# KiCad board psc_carrier_brd.kicad_pcb (continued)
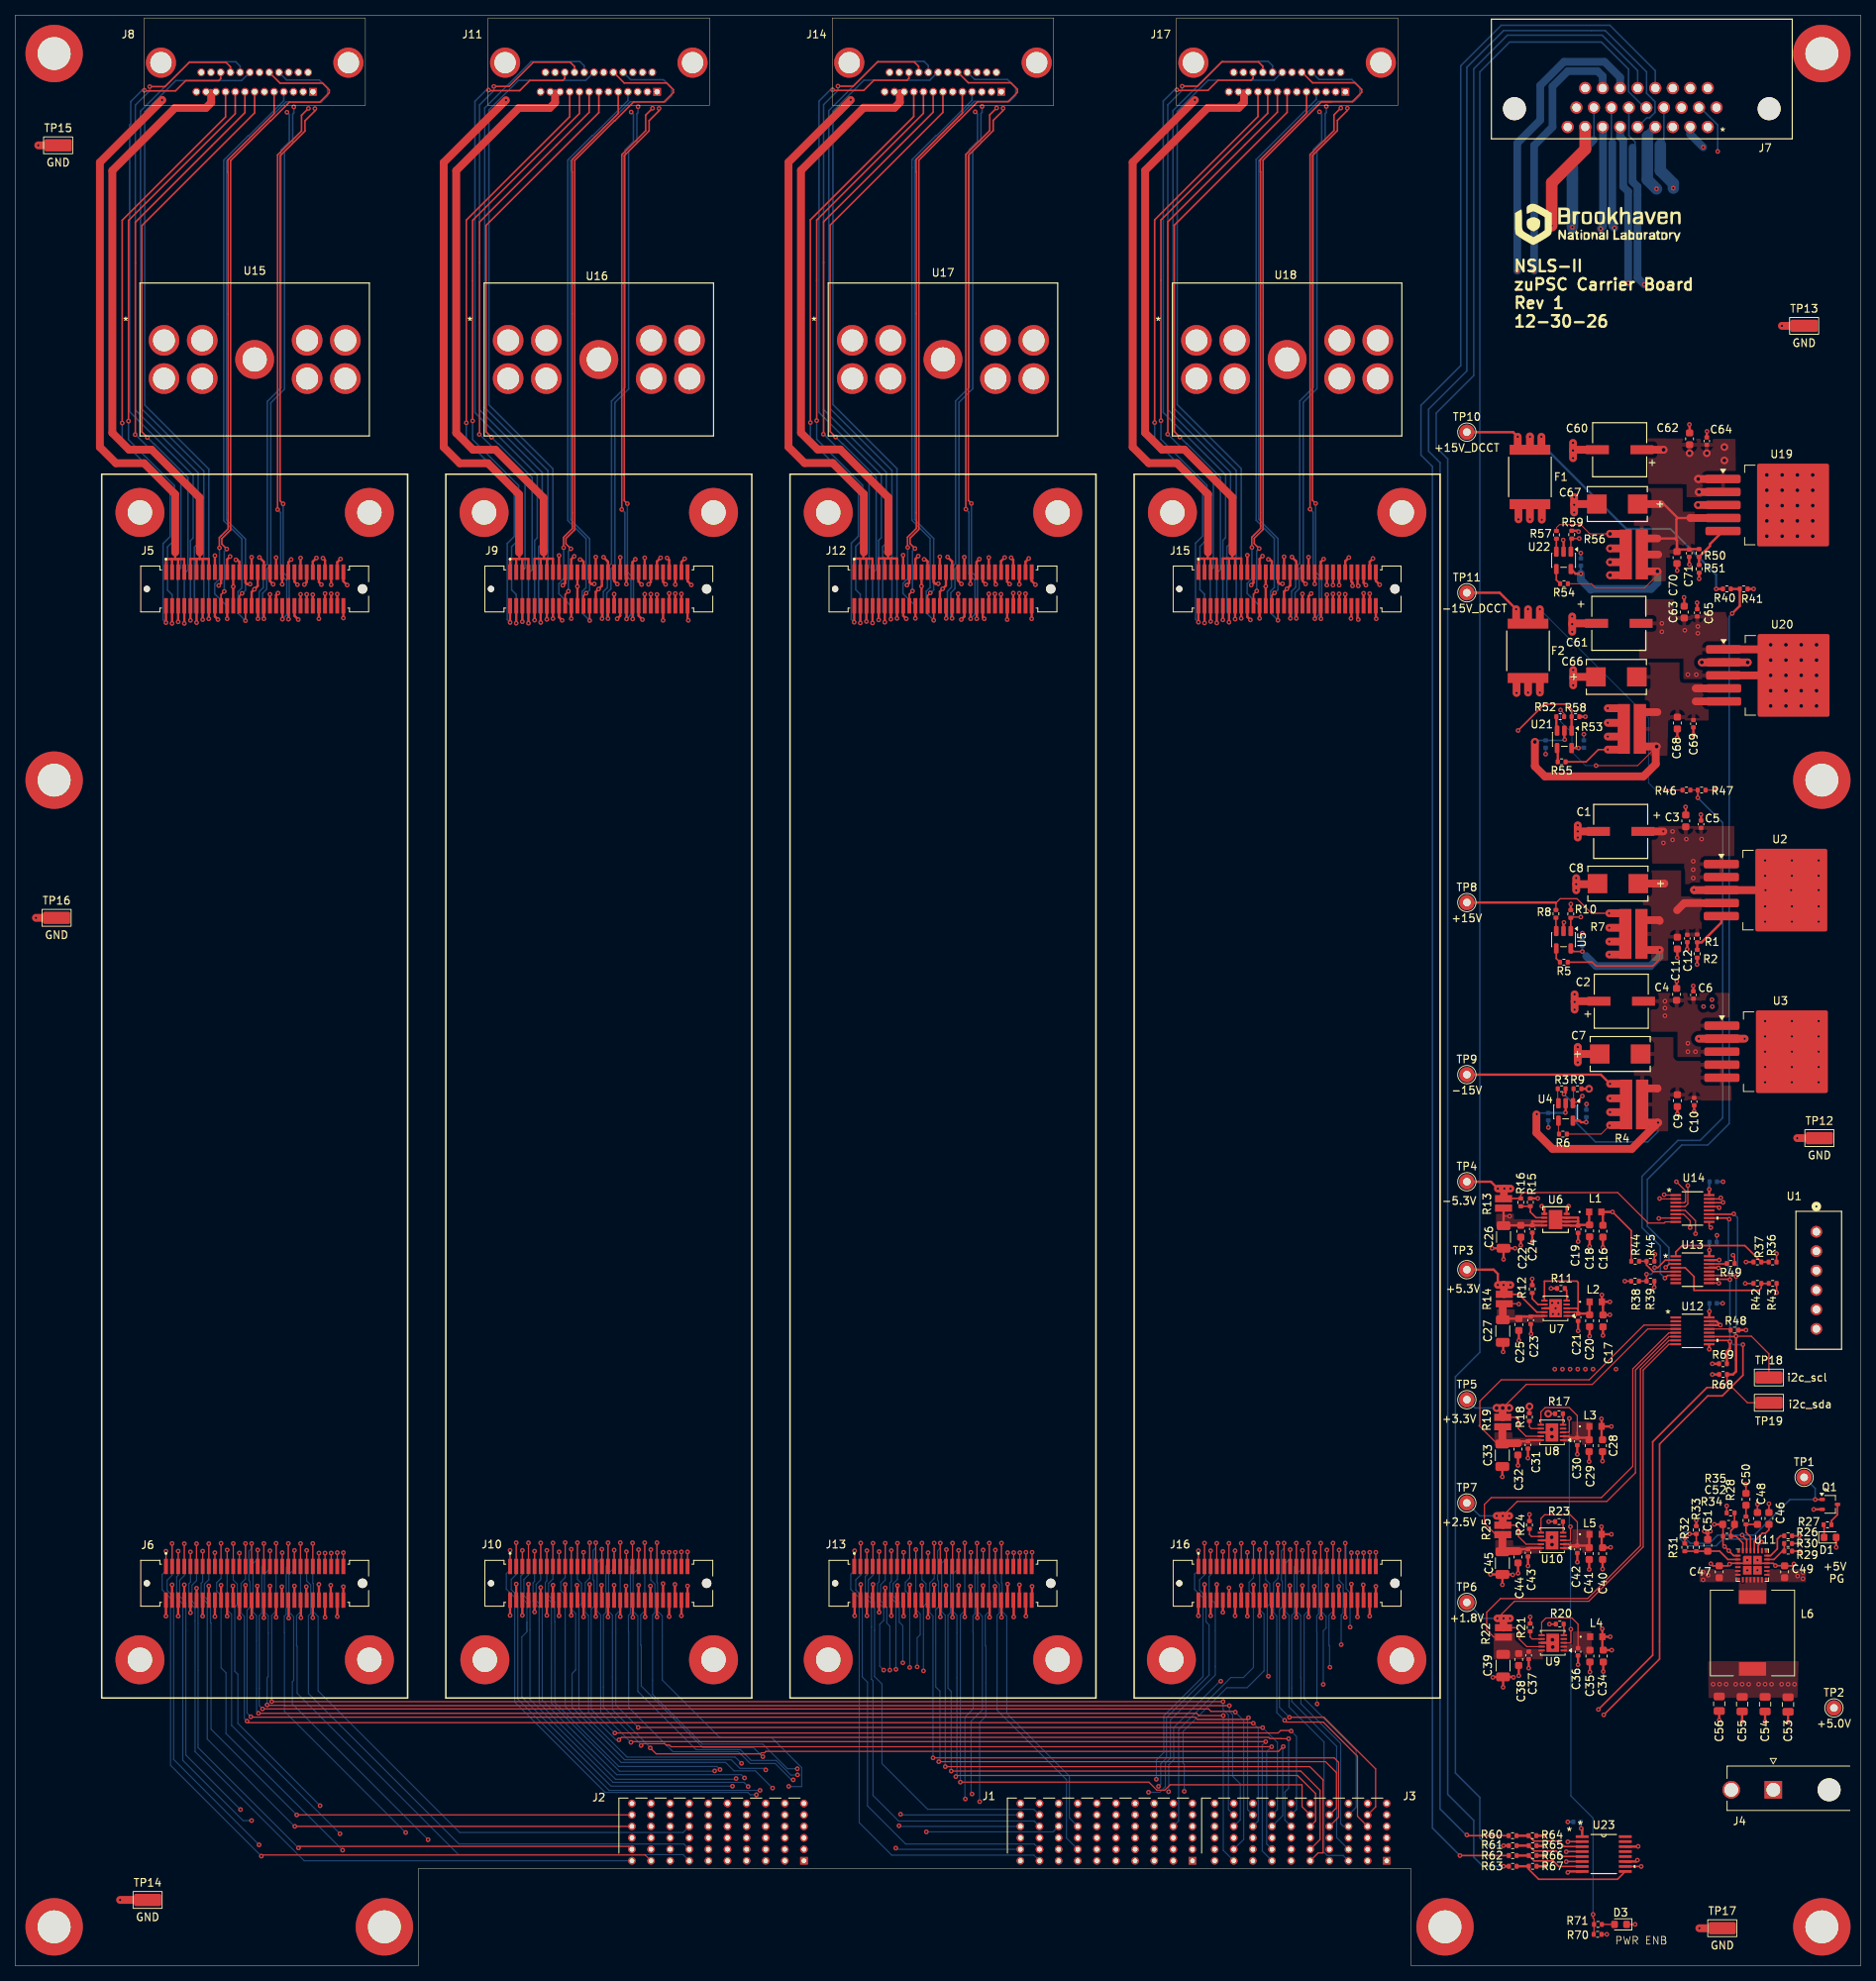
[diagram p0: board, top side]
## Routing (per net, layer and track width the routed paths; a pad name or vN(x,y) marks a point on that pad's centre or on a via; arc(x,y) is an arc through that point) (continued)
/Ch2 Daughterboard/ps.spare-: length 85
  Top w0.2: v1(72.33,179.7) 71.9,179.28 71.9,177.82 ; v1(72.65,185.25) 72,185.9 72,186.6 73.15,187.75 73.15,236.03 78.35,241.22 78.4,241.22 80.85,243.68 84.83,243.68 86.05,244.9 86.05,245.28 85.17,246.15 79.62,246.15 78.2,247.56
  Bottom w0.2: v1(72.65,185.25) 72.33,184.93 v1(72.33,179.7)
/Ch2 Daughterboard/ps.vout+: length 72.4
  Top w0.3: 77.5,177.82 v1(77.5,176.12)
  In7.Cu - SIG w0.2: v1(81.42,243.05) 81.42,244.98 81.38,245.03
  Bottom w0.2: v1(81.42,243.05) 81.42,242.28 81.27,242.12 81.27,238.31 80.2,237.23 80.2,206.16 78.4,204.36 78.4,183.13 77.87,182.61 77.87,180.01 77.34,179.47 77.34,176.29 v1(77.5,176.12)
/Ch2 Daughterboard/ps.vout-: length 83.1
  Top w0.3: 76.73,177.82 v1(76.73,176.12)
  In7.Cu - SIG w0.2: 80.74,247.56 80.74,246.98 81.27,246.45 84.52,246.45 85.35,245.62 85.35,243.26 84.39,242.3 80.57,242.3 v1(80.52,242.35)
  Bottom w0.2: v1(80.52,242.35) 80.83,242.05 80.83,238.49 79.75,237.42 79.75,206.34 77.95,204.55 77.95,183.32 77.42,182.79 77.42,180.19 76.89,179.66 76.89,176.29 v1(76.73,176.12)
/Ch2 Daughterboard/reg.out+: length 73.1
  Top w0.2: v1(84.17,242.82) 84.17,242.53 82.87,241.22 82.87,239.9 79.62,236.64 79.62,191.55 v1(80.02,191.15)
  Top w0.3: 80.73,177.72 v1(80.73,176.07)
  In7.Cu - SIG w0.2: 83.92,245.03 83.92,244.45 84.17,244.2 v1(84.17,242.82)
  Bottom w0.2: v1(80.02,191.15) 80.02,182.2 80.02,182.2 80.82,181.4 80.82,176.17 v1(80.73,176.07)
/Ch2 Daughterboard/reg.out-: length 77.9
  Top w0.2: v1(79.3,190.4) 79.3,236.78 82.42,239.9 82.42,241.95 v1(83.33,242.85)
  Top w0.3: 79.92,177.72 v1(79.92,176.07)
  In2.Cu - Signal w0.2: 83.29,247.56 84.46,247.56 85.27,246.75 85.27,244.8 v1(83.33,242.85)
  Bottom w0.2: v1(79.92,176.07) 80.5,176.65 80.5,181.12 79.7,181.92 79.7,190 v1(79.3,190.4) 79.3,190.43
/Ch3 Burden Resistor/Iin0.dcct+: length 115.5
  Top w1.5: J7.8 205.27,237.53 205.3,237.5 200.9,233.1 v1(200.9,227.5)
  In7.Cu - SIG w1.5: v1(200.9,227.5) 199,225.6 117.2,225.6 109.44,217.84 U17.1
/Ch3 Burden Resistor/Iin0.dcct-: length 99.4
  In7.Cu - SIG w1.5: v1(203.6,227.3) 202.6,226.3 202.6,226.1 200.4,223.9 137,223.9 133.16,220.06 U17.4
  Bottom w0.2: J7.17 206.42,238.72 206.4,238.7
  Bottom w1: 203.6,233.6 203.6,235.92 204.54,236.86
  Bottom w1.016: 204.54,236.86 206.38,238.7
  Bottom w1.5: 203.6,235.1 v1(203.6,227.3)
/Ch3 Burden Resistor/Iin1.dcct+: length 128.1
  In2.Cu - Signal w1.5: v1(207.3,227.1) 205.7,225.5 116.8,225.5 106.49,215.19 106.49,210.45 U17.5
  Bottom w1.016: v1(207.3,227.1) 207.6,227.4 207.6,240.36 J7.7
/Ch3 Burden Resistor/Iin1.dcct-: length 106.2
  In2.Cu - Signal w1.5: v1(209.1,227.2) 209.1,226.4 206.5,223.8 139.7,223.8 139.7,214.04 U17.8
  Bottom w0.11: 208.7,238.46 208.82,238.34
  Bottom w0.2: 208.7,238.46 J7.16
  Bottom w1.016: 208.82,238.34 208.82,227.48 v1(209.1,227.2)
/Ch3 Burden Resistor/Vout0.dcct+: length 41.6
  Top w0.3: 128.09,177.21 v1(128.09,179.35)
  In2.Cu - Signal w0.2: v1(128.09,179.35) 128.24,179.5 128.24,179.9 128.79,180.45 128.79,182.26 127.99,183.06 127.99,191.64 120.96,198.66 120.96,205.46 114.43,211.99 114.43,212.56
/Ch3 Burden Resistor/Vout0.dcct-: length 41.7
  Top w0.3: 128.89,177.16 v1(128.89,179.31)
  In2.Cu - Signal w0.2: v1(128.89,179.31) 128.69,179.5 128.69,179.71 129.24,180.26 129.24,182.45 128.44,183.25 128.44,191.82 121.42,198.85 121.42,205.31 128.15,212.04 128.15,212.56
/Ch3 Burden Resistor/Vout1.dcct+: length 39.2
  Top w0.3: 131.29,177.28 v1(131.29,179.43)
  In7.Cu - SIG w0.2: v1(131.29,179.43) 132.12,180.25 132.12,181.29 130.89,182.51 130.89,190.96 121.34,200.51 121.34,202.83 117.19,206.98 115.01,206.98 114.43,207.56
/Ch3 Burden Resistor/Vout1.dcct-: length 38.8
  Top w0.3: 132.09,177.23 v1(132.09,179.38)
  In2.Cu - Signal w0.2: v1(132.09,179.38) 132.09,179.59
  In7.Cu - SIG w0.2: v1(132.09,179.38) 132.09,179.59 132.56,180.07 132.56,181.47 131.34,182.7 131.34,191.15 121.79,200.7 121.79,202.93 125.79,206.93 127.52,206.93 128.15,207.56
/Ch3 Daughterboard/dac.sclk: length 63
  Top w0.15: 116.95,52.23 v1(116.95,55.27)
  In7.Cu - SIG w0.15: 116.98,38.7 116.98,15.88 118.44,14.41 135.73,14.41 J1.A8
  Bottom w0.15: v1(116.95,55.27) 116.95,50.7 116.37,50.12 116.37,49.03 116.95,48.45 v1(116.95,39)
/Ch3 Daughterboard/dac.sdin: length 58.9
  Top w0.15: 117.75,52.23 v1(117.75,54.4)
  In7.Cu - SIG w0.15: v1(117.92,39.07) 117.92,17.52 119.43,16.02 135.62,16.02 J1.B8
  Bottom w0.15: v1(117.75,54.4) 117.75,46.56 118.33,45.99 118.33,43.28 117.92,42.88 v1(117.92,39.07)
/Ch3 Daughterboard/dac.syncn: length 58.9
  Top w0.15: 118.55,52.2 v1(118.55,55.25)
  In7.Cu - SIG w0.15: v1(119.12,17.5) 119.12,38.18 v1(118.75,38.55)
  Bottom w0.15: J1.C8 135.71,17.5 v1(119.12,17.5) ; v1(118.55,55.25) 118.55,50.46 119.08,49.94 119.08,47.28 118.75,46.95 v1(118.75,38.55)
/Ch3 Daughterboard/dcct.busy: length 52.7
  Top w0.15: 126.55,52.2 v1(126.55,54.35)
  In2.Cu - Signal w0.15: J1.D6 138.69,22.45 v1(125.1,22.45)
  Bottom w0.15: v1(126.55,54.35) 126.55,51.92 125.83,51.2 125.83,46.29 126.45,45.66 126.45,33.45 124.98,31.98 124.98,22.57 v1(125.1,22.45)
/Ch3 Daughterboard/dcct.cnv: length 56
  Top w0.15: 125.75,52.2 v1(125.75,55.25)
  In2.Cu - Signal w0.15: J1.C6 140.73,18.91 129.46,18.91 126.43,21.95 124.37,21.95 v1(124.23,21.8)
  Bottom w0.15: v1(125.75,55.25) 125.75,52.4 125.48,52.13 125.48,45.99 125.22,45.74 125.22,43.63 125.25,43.6 125.25,33.57 124.17,32.5 124.17,21.85 v1(124.23,21.8)
/Ch3 Daughterboard/dcct.sck: length 56.5
  Top w0.15: 127.35,52.2 v1(127.35,55.25)
  In2.Cu - Signal w0.15: J1.A7 138.23,14.41 128.34,14.41 126.1,16.65 v1(126.1,21.45)
  Bottom w0.15: 126.1,21.4 126.1,21.32 v1(126.1,21.45) 126.1,31.8 126.9,32.6 126.9,41.8 126.82,41.88 126.82,45.79 127.35,46.31 v1(127.35,55.25)
/Ch3 Daughterboard/dcct.sdo0: length 46
  Top w0.15: 128.15,52.2 v1(128.15,54.35)
  Bottom w0.15: J1.B7 137.45,16.69 137.45,24.32 128.37,33.4 128.37,45.79 128.68,46.09 128.68,49.84 128.15,50.36 v1(128.15,54.35)
/Ch3 Daughterboard/dcct.sdo1: length 44.2
  Top w0.15: 128.95,52.2 v1(128.95,55.25)
  Bottom w0.15: J1.C7 137.82,19.31 137.82,24.8 129.65,32.98 129.65,45.69 129.03,46.31 129.03,49.98 128.95,50.06 v1(128.95,55.25)
/Ch3 Daughterboard/digin.acon: length 87.4
  Top w0.3: 115.29,177.85 v1(115.29,176.16)
  Bottom w0.15: v1(115.29,176.16) 115.21,176.16
  Bottom w0.2: v1(115.29,176.16) 115.29,195.73 106.92,204.1 106.92,242.45 110.98,246.52 119.58,246.52 120.65,247.59
/Ch3 Daughterboard/digin.flt1: length 88.7
  Top w0.3: 114.49,177.85 v1(114.49,176.06)
  Bottom w0.15: v1(114.49,176.06) 114.49,176.26
  Bottom w0.2: 119.39,247.59 119.39,248.41 118.81,248.98 112.81,248.98 106.36,242.53 106.36,203.75 114.63,195.49 114.63,176.9 114.49,176.75 v1(114.49,176.06)
/Ch3 Daughterboard/digin.flt2: length 89.6
  Top w0.2: 118.11,247.59 118.11,248.33 117.54,248.91 112.74,248.91 109.56,245.73 v1(107.56,245.73)
  Top w0.3: 113.69,177.85 v1(113.69,175.66)
  Bottom w0.2: v1(113.69,175.66) 113.69,176.75 113.42,177.03 113.42,185.53 113.89,186 113.89,195.25 105.69,203.46 105.69,243.31 107.56,245.18 v1(107.56,245.73)
/Ch3 Daughterboard/digin.rtn: length 86.8
  Top w0.3: 111.25,183.97 112.08,183.97 112.08,182.24 ; 111.25,183.97 111.28,183.94 111.28,182.24 ; 111.25,183.97 110.9,183.97 ; 110.48,182.24 110.48,183.91 110.43,183.97 ; 110.43,183.97 110.9,183.97 ; 110.43,183.97 109.68,183.97 109.68,182.24 ; 110.9,183.97 110.9,184.82
  Top w1.016: 109.24,243.93 101.1,235.79 101.1,198.56 103.2,196.46 106.88,196.46 110.95,192.39 110.95,184.79
  In7.Cu - SIG w1.016: 109.24,243.97 112.83,247.56 ; 115.58,247.59 112.83,247.59
  vias: v1(109.24,243.96)
/Ch3 Daughterboard/digin.spare: length 87.1
  Top w0.2: v1(106.86,245.25) 106.94,245.18 110.94,245.18 112.27,246.5 116.59,246.5 116.84,246.76 116.84,247.59
  Top w0.3: 112.89,177.85 v1(112.89,175.96)
  Bottom w0.2: v1(106.86,245.25) 106.56,245.25 105.09,243.78 105.09,203.08 113.24,194.93 113.24,186.71 112.89,186.35 v1(112.89,175.96)
/Ch3 Daughterboard/digio.in0: length 60.5
  Top w0.15: v1(112.95,54.15) 112.95,52.25
  In7.Cu - SIG w0.15: v1(113.55,38.65) 113.5,38.6 113.5,14.8 114.58,13.72 J1.A10
  Bottom w0.15: v1(112.95,54.15) 112.95,50.2 112.75,50 112.75,47.6 113.55,46.8 113.55,45.15 113.02,44.62 113.02,39.18 v1(113.55,38.65)
/Ch3 Daughterboard/digio.in1: length 60.3
  Top w0.15: 113.75,52.18 v1(113.75,55.23)
  In7.Cu - SIG w0.15: v1(114.35,38.65) 114.35,16.15 v1(115.12,15.38)
  Bottom w0.15: v1(115.12,15.38) 115.28,15.22 J1.B10 ; v1(113.75,55.23) 113.75,50.4 113.15,49.8 113.15,47.7 113.95,46.9 113.95,44.8 114.35,44.4 v1(114.35,38.65)
/Ch3 Daughterboard/digio.in2: length 54.5
  Top w0.15: v1(114.55,54.25) 114.55,52.25
  In7.Cu - SIG w0.15: v1(115.15,38.75) 115.08,38.68 115.08,18.77 v1(115.55,18.3)
  Bottom w0.15: J1.C10 115.63,18.22 v1(115.55,18.3) ; v1(114.55,54.25) 114.55,50.25 114.35,50.05 114.35,48.25 115.15,47.45 v1(115.15,38.75)
/Ch3 Daughterboard/digio.in3: length 55.1
  Top w0.15: 115.35,52.18 v1(115.35,55.23)
  In7.Cu - SIG w0.15: v1(115.75,19.8) 116.05,20.1 v1(116.05,39.6)
  Bottom w0.15: v1(116.05,39.6) 116.05,44.45 115.57,44.93 115.57,47.52 114.77,48.32 114.77,49.94 115.35,50.51 v1(115.35,55.23) ; J1.D10 115.83,19.72 v1(115.75,19.8)
/Ch3 Daughterboard/digio.out0: length 63.9
  Top w0.15: 109.75,52.25 v1(109.75,54.25)
  Bottom w0.15: v1(109.75,54.25) 109.75,51.7 109.25,51.2 109.25,49.2 110.35,48.1 110.35,18.7 114.6,14.45 133.19,14.45 J1.A9
/Ch3 Daughterboard/digio.out1: length 63.2
  Top w0.15: 110.55,52.2 v1(110.55,55.25)
  Bottom w0.15: J1.B9 133.23,15.91 116.41,15.91 111.42,20.9 111.42,37.07 110.75,37.75 110.75,48.27 109.9,49.12 109.9,50.45 110.55,51.1 v1(110.55,55.25)
/Ch3 Daughterboard/digio.out2: length 58
  Top w0.15: 111.35,52.2 v1(111.35,54.25)
  Bottom w0.15: J1.C9 133.23,18.91 115.5,18.91 112.15,22.26 112.15,37.25 111.95,37.45 111.95,44.3 111.95,44.3 111.95,47.35 111.15,48.15 111.15,50.9 111.35,51.1 v1(111.35,54.25)
/Ch3 Daughterboard/digio.out3: length 56.2
  Top w0.15: 112.15,52.18 v1(112.15,55.23)
  Bottom w0.15: v1(112.15,55.23) 112.15,51.05 111.55,50.45 111.55,48.35 112.35,47.55 112.35,43.85 112.35,43.85 112.35,37.8 113.33,36.82 113.33,26.43 119.3,20.45 133.19,20.45 J1.D9
/Ch3 Daughterboard/digout.on1: length 80.6
  Top w0.2: v1(107.26,199.86) 106.54,200.58 106.54,227.56 121.29,242.31 121.29,245.06
  Top w0.3: 112.09,177.85 v1(112.09,175.56)
  Bottom w0.2: v1(107.26,199.86) 108.14,198.98 108.19,198.98 112.57,194.6 112.57,182.53 112.09,182.06 v1(112.09,175.56)
/Ch3 Daughterboard/digout.on2: length 80.2
  Top w0.2: 120.02,245.06 120.02,242.33 105.69,228 105.69,200.25 v1(105.67,200.23)
  Top w0.3: 111.29,175.66 v1(111.29,175.75) 111.29,177.85
  Bottom w0.15: v1(111.29,175.75) 111.24,175.75
  Bottom w0.2: v1(111.29,175.75) 111.24,175.81 111.24,182.38 111.64,182.78 111.64,194.31 105.71,200.23 v1(105.67,200.23)
/Ch3 Daughterboard/digout.reset: length 80.8
  Top w0.2: v1(104.79,202) 104.79,228.23 118.75,242.19 118.75,245.06
  Top w0.3: v1(110.49,175.56) 110.49,177.85
  Bottom w0.15: v1(110.49,175.56) 110.49,175.67
  Bottom w0.2: v1(110.49,175.56) 110.49,179.31 109.89,179.91 109.89,185.56 110.8,186.46 110.8,193.56 104.79,199.56 v1(104.79,202)
/Ch3 Daughterboard/digout.rtn: length 92.8
  Top w0.3: 115.29,182.25 115.29,183.99 114.46,183.99 ; 114.49,182.25 114.49,183.96 114.46,183.99 ; 113.64,183.99 113.69,183.94 113.69,182.25 ; 113.64,183.99 112.89,183.99 112.89,182.25 ; 113.64,183.99 114.11,183.99 ; 114.46,183.99 114.11,183.99 ; 114.11,183.99 114.11,184.84
  Top w1.016: 114.11,184.84 114.16,184.9 114.16,191.94 ; 114.16,191.94 107.87,198.23 104.92,198.23 102.73,200.42 102.73,234.72 110.92,242.91 114.96,242.91 115.66,243.61 115.66,244.82 ; 114.16,191.94 114.16,184.81
  In7.Cu - SIG w1.016: 114.94,245.06 116.21,245.06
/Ch3 Daughterboard/digout.spare: length 80.4
  Top w0.2: 117.48,245.06 117.48,241.77 103.96,228.25 v1(103.96,201.75)
  Top w0.3: v1(109.69,175.66) 109.69,177.85
  Bottom w0.2: v1(109.69,175.66) 109.31,176.03 109.31,185.98 110.24,186.91 110.24,193.1 110.27,193.13 103.96,199.43 v1(103.96,201.75)
/Ch3 Daughterboard/mon.busy: length 92.8
  Top w0.15: v1(121.6,26.02) 169.27,26.02 171,24.3 171,14.75 170.36,14.75 J3.A5 ; 121.75,52.2 v1(121.75,54.4)
  Bottom w0.15: v1(121.6,26.02) 121.6,45.8 121.12,46.28 121.12,52.62 121.75,53.25 v1(121.75,54.4)
/Ch3 Daughterboard/mon.cnvrt: length 90.8
  Top w0.15: v1(120.75,26.68) 171.32,26.68 172.75,25.25 172.75,20.64 J3.D4 ; 120.95,52.2 v1(120.95,55.25)
  Bottom w0.15: v1(120.75,26.68) 120.9,26.82 120.9,35.9 120.35,36.45 120.35,46.55 120.73,46.93 120.73,50.27 120.6,50.4 120.6,54.25 120.95,54.6 v1(120.95,55.25)
/Ch3 Daughterboard/mon.fs: length 90.8
  Top w0.15: v1(122.37,25.45) 168.07,25.45 170.6,22.93 170.6,16.49 J3.B5 ; 122.55,52.2 v1(122.55,55.25)
  Bottom w0.15: v1(122.55,55.25) 122.55,52.45 122.28,52.18 122.28,46.13 121.95,45.8 121.95,36.3 122.37,35.88 v1(122.37,25.45)
/Ch3 Daughterboard/mon.reset: length 93.7
  Top w0.15: J3.C4 173.02,19.42 173.02,26.6 172.45,27.18 v1(120,27.18) ; 120.15,52.2 v1(120.15,55.25)
  Bottom w0.15: v1(120,27.18) 120,45.71 119.57,46.14 119.57,50.04 120.15,50.61 v1(120.15,55.25)
/Ch3 Daughterboard/mon.sclk: length 84.3
  Top w0.15: J3.D5 168.25,20.79 168.25,23.65 151,23.65 150.3,22.95 149.27,22.95 148.23,24 v1(123.57,24) ; 124.15,52.23 v1(124.15,55.27)
  Bottom w0.15: v1(124.15,55.27) 124.15,46.41 123.57,45.84 v1(123.57,24)
/Ch3 Daughterboard/mon.sdo: length 84.9
  Top w0.15: J3.C5 170.02,18.91 170.02,22.5 167.65,24.87 123.12,24.87 v1(122.98,24.73) ; 123.35,52.23 v1(123.35,54.3)
  Bottom w0.15: v1(122.98,24.73) 123.13,24.88 123.13,45.79 122.63,46.29 122.63,51.25 123.35,51.97 v1(123.35,54.3)
/Ch3 Daughterboard/ps.ignd+: length 76
  Top w0.2: v1(120.09,175.91) 120.09,177.85
  Bottom w0.2: v1(120.09,175.91) 119.12,176.88 119.12,179.7 119.61,180.19 119.61,186.6 117.24,188.98 117.24,236.11 120.41,239.28 120.49,239.28 125.1,243.89 125.1,245.06
/Ch3 Daughterboard/ps.ignd-: length 84.5
  Top w0.2: 119.29,177.85 119.29,179.13 v1(119.64,179.48)
  Bottom w0.2: v1(119.64,179.48) 119.69,179.48 120.09,179.88 120.09,186.58 117.59,189.08 117.59,236 117.67,236 125.39,243.73 130.01,243.73 130.81,244.53 130.81,245.53 129.74,246.61 125.45,246.61 124.46,247.59
/Ch3 Daughterboard/ps.spare+: length 74.9
  Top w0.2: v1(116.69,185.43) 116.67,185.45 116.67,186.76 117.82,187.91 117.82,234.53 117.79,234.56 117.79,236.16 123.83,242.2 123.83,245.06
  Top w0.3: 117.69,177.85 v1(117.69,176.16)
  In2.Cu - Signal w0.2: v1(117.69,176.16) 117.57,176.28
  Bottom w0.2: 117.57,176.28 v1(117.69,176.16) 117.71,176.18 117.71,177.75 116.07,179.4 116.07,180.72 116.69,181.34 v1(116.69,185.43)
/Ch3 Daughterboard/ps.spare-: length 85
  Top w0.2: v1(117.64,185.28) 116.99,185.93 116.99,186.63 118.14,187.78 118.14,236.06 123.34,241.25 123.39,241.25 125.84,243.7 129.81,243.7 131.04,244.93 131.04,245.31 130.17,246.18 124.61,246.18 123.2,247.59 ; 116.89,177.85 116.89,179.31 v1(117.31,179.73)
  Bottom w0.2: v1(117.64,185.28) 117.31,184.96 v1(117.31,179.73)
/Ch3 Daughterboard/ps.vout+: length 72.4
  Top w0.3: 122.49,177.85 v1(122.49,176.16)
  In7.Cu - SIG w0.2: v1(126.42,243.08) 126.42,245.01 126.37,245.06
  Bottom w0.2: v1(122.49,176.16) 122.33,176.32 122.33,179.5 122.86,180.04 122.86,182.64 123.39,183.16 123.39,204.39 125.19,206.19 125.19,237.26 126.27,238.34 126.27,242.16 126.42,242.31 v1(126.42,243.08)
/Ch3 Daughterboard/ps.vout-: length 83.1
  Top w0.3: 121.71,177.85 v1(121.71,176.16)
  In7.Cu - SIG w0.2: v1(125.52,242.38) 125.56,242.33 129.38,242.33 130.34,243.29 130.34,245.66 129.51,246.48 126.27,246.48 125.73,247.01 125.73,247.59
  Bottom w0.2: v1(125.52,242.38) 125.81,242.08 125.81,238.52 124.74,237.45 124.74,206.37 122.94,204.58 122.94,183.35 122.42,182.82 122.42,180.22 121.88,179.69 121.88,176.32 v1(121.71,176.16)
/Ch3 Daughterboard/reg.out+: length 73.1
  Top w0.2: v1(129.17,242.86) 129.17,242.56 127.86,241.25 127.86,239.93 124.61,236.67 124.61,191.58 v1(125.02,191.18)
  Top w0.3: 125.71,177.75 v1(125.71,176.1)
  In7.Cu - SIG w0.2: 128.91,245.06 128.91,244.49 129.17,244.23 v1(129.17,242.86)
  Bottom w0.2: v1(125.02,191.18) 125.02,182.23 125.01,182.23 125.81,181.43 125.81,176.2 v1(125.71,176.1)
/Ch3 Daughterboard/reg.out-: length 77.9
  Top w0.2: v1(124.29,190.43) 124.29,236.81 127.42,239.93 127.42,241.98 v1(128.31,242.88)
  Top w0.3: 124.92,177.75 v1(124.92,176.1)
  In2.Cu - Signal w0.2: 128.27,247.59 129.45,247.59 130.26,246.78 130.26,244.83 v1(128.31,242.88)
  Bottom w0.2: 124.29,190.46 v1(124.29,190.43) 124.69,190.03 124.69,181.95 125.49,181.16 125.49,176.68 v1(124.92,176.1)
/Ch4 Burden Resistor/Iin0.dcct+: length 82.4
  In7.Cu - SIG w1.5: v1(210.9,220) 158.8,220 158.7,220.1 154.44,215.84 U18.1
  Bottom w1.016: J7.6 209.84,239.11 210.25,238.7 210.25,232.6 210.9,231.95 v1(210.9,220)
/Ch4 Burden Resistor/Iin0.dcct-: length 64
  In7.Cu - SIG w1.5: U18.4 178.16,215.56 180.5,217.9 211.21,217.9 213,219.69 v1(213,219.8)
  Bottom w0.2: J7.15 210.99,239.26 211.8,238.45 211.8,238.03 211.47,237.7
  Bottom w1.016: v1(213,219.8) 212.12,220.68 212.12,232.6 211.47,233.25 211.47,237.7
/Ch4 Burden Resistor/Iin1.dcct+: length 97.3
  In2.Cu - Signal w1.5: U18.5 151.49,210.45 151.49,217.49 153.6,219.6 194.4,219.6 v1(196.4,221.6)
  Bottom w1.016: v1(196.4,221.6) 196.4,238.3 199.4,241.3 199.4,245.82 202.5,248.92 207.81,248.92 209.84,246.88 J7.24
/Ch4 Burden Resistor/Iin1.dcct-: length 63.1
  In2.Cu - Signal w1.5: v1(198.6,221.6) 198.1,221.1 198.1,220.9 195.1,217.9 184.5,217.9 184.5,217.8 182.2,215.5 182.2,211.54 U18.8
  Bottom w1.016: v1(198.6,221.6) 198.6,238 201,240.4 201,245.7 203,247.7 206.9,247.7 207.56,247.04 J7.25
/Ch4 Burden Resistor/Vout0.dcct+: length 41.6
  Top w0.3: 173.1,177.21 v1(173.1,179.35)
  In2.Cu - Signal w0.2: 159.44,212.56 159.44,211.99 165.98,205.46 165.98,198.66 173,191.64 173,183.06 173.8,182.26 173.8,180.45 173.25,179.9 173.25,179.5 v1(173.1,179.35)
/Ch4 Burden Resistor/Vout0.dcct-: length 41.7
  Top w0.3: 173.9,177.16 v1(173.9,179.31)
  In2.Cu - Signal w0.2: v1(173.9,179.31) 173.7,179.5 173.7,179.71 174.25,180.26 174.25,182.45 173.45,183.25 173.45,191.82 166.43,198.85 166.43,205.31 173.16,212.04 173.16,212.56
/Ch4 Burden Resistor/Vout1.dcct+: length 39.2
  Top w0.3: 176.3,177.28 v1(176.3,179.43)
  In7.Cu - SIG w0.2: v1(176.3,179.43) 177.12,180.25 177.12,181.29 175.9,182.51 175.9,190.96 166.35,200.51 166.35,202.83 162.2,206.98 160.02,206.98 159.44,207.56
/Ch4 Burden Resistor/Vout1.dcct-: length 38.8
  Top w0.3: 177.1,177.23 v1(177.1,179.38)
  In2.Cu - Signal w0.2: v1(177.1,179.38) 177.1,179.59
  In7.Cu - SIG w0.2: 173.16,207.56 172.53,206.93 170.8,206.93 166.8,202.93 166.8,200.7 176.35,191.15 176.35,182.7 177.57,181.47 177.57,180.07 177.1,179.59 v1(177.1,179.38)
/Ch4 Daughterboard/dac.sclk: length 45.9
  Top w0.15: 161.9,52.23 v1(161.9,55.27)
  Bottom w0.15: J1.C2 152.12,18.91 152.12,30.87 158.93,37.68 160.57,37.68 161.9,39 161.9,48.45 161.32,49.03 161.32,50.12 161.9,50.7 v1(161.9,55.27)
/Ch4 Daughterboard/dac.sdin: length 43.7
  Top w0.15: 162.7,52.23 v1(162.7,54.4)
  In2.Cu - Signal w0.15: v1(152.85,22.8) 152.6,22.55 152.6,20.9 J1.D2
  Bottom w0.15: v1(152.85,22.8) 152.85,26.32 152.7,26.48 152.7,30.62 158.43,36.35 161.07,36.35 163.28,38.55 163.28,45.99 162.7,46.56 v1(162.7,54.4)
/Ch4 Daughterboard/dac.syncn: length 54.5
  Top w0.15: J16.23 v1(163.5,55.25)
  In2.Cu - Signal w0.15: J1.A3 150.45,15.24 150.45,22.4 v1(150.8,22.75) ; v1(163.85,37.85) 163.2,37.2 v1(157.62,37.2)
  Bottom w0.15: v1(163.5,55.25) 163.5,50.46 164.03,49.94 164.03,47.28 163.7,46.95 163.7,38 v1(163.85,37.85) ; v1(150.8,22.75) 150.82,22.77 150.82,26.28 151.46,26.91 151.46,31.14 157.52,37.2 v1(157.62,37.2)
/Ch4 Daughterboard/dcct.busy: length 55.1
  Top w0.15: J16.43 v1(171.5,54.35)
  In2.Cu - Signal w0.15: v1(171.02,36.77) 170.95,36.77 169.32,35.15 169.32,26.62 168.21,25.51 168.2,25.52 158.07,25.52 158.07,25.5 155.62,23.05 155.62,16.92 J1.B1
  Bottom w0.15: v1(171.02,36.77) 171.02,43.77 171.4,44.15 171.4,45.66 170.78,46.29 170.78,51.2 171.5,51.92 v1(171.5,54.35)
/Ch4 Daughterboard/dcct.cnv: length 57.8
  Top w0.15: J16.41 v1(170.7,55.25)
  In2.Cu - Signal w0.15: J1.A1 155.93,15.72 155.93,22.57 158.3,24.95 168.95,24.95 170.23,26.23 v1(170.23,34.23)
  Bottom w0.15: v1(170.7,55.25) 170.7,52.4 170.43,52.13 170.43,45.99 170.17,45.74 170.17,43.63 170.2,43.6 170.2,34.25 v1(170.23,34.23)
/Ch4 Daughterboard/dcct.sck: length 53.6
  Top w0.15: J16.45 v1(172.3,55.25)
  In2.Cu - Signal w0.15: J1.C1 155,19.29 155,23.3 157.9,26.2 167.77,26.2 168.7,27.12 168.7,35.77 171.9,38.98 v1(171.9,39.02)
  Bottom w0.15: v1(171.9,39.02) 171.85,39.07 171.85,41.8 171.77,41.88 171.77,45.79 172.3,46.31 v1(172.3,55.25)
/Ch4 Daughterboard/dcct.sdo0: length 50.7
  Top w0.15: J16.47 v1(173.1,54.35)
  In2.Cu - Signal w0.15: J1.D1 154.62,20.41 154.62,23.89 157.43,26.7 166.85,26.7 167.9,27.75 167.9,36.6 173.27,41.98 v1(173.38,41.98)
  Bottom w0.15: v1(173.38,41.98) 173.38,45.84 173.63,46.09 173.63,49.84 173.1,50.36 v1(173.1,54.35)
/Ch4 Daughterboard/dcct.sdo1: length 60.6
  Top w0.15: J16.49 v1(173.9,55.25)
  In2.Cu - Signal w0.15: 173.95,55.2 v1(173.9,55.25) ; J1.A2 151.57,13.72 152.98,15.12 152.98,21.73 154,22.75 154,24.8 156.52,27.32 166.6,27.32 167.38,28.1 167.38,37.1 v1(174.54,44.26) 174.6,44.32
  Bottom w0.15: v1(173.9,55.25) 174,55.15 174,49.3 174.54,48.76 v1(174.54,44.26)
/Ch4 Daughterboard/digin.acon: length 87.4
  Top w0.3: 160.3,177.85 v1(160.3,176.16)
  Bottom w0.15: v1(160.3,176.16) 160.22,176.16
  Bottom w0.2: v1(160.3,176.16) 160.3,195.73 151.93,204.1 151.93,242.45 155.99,246.52 164.59,246.52 165.67,247.59
/Ch4 Daughterboard/digin.flt1: length 88.7
  Top w0.3: 159.5,177.85 v1(159.5,176.06)
  Bottom w0.15: v1(159.5,176.06) 159.5,176.26
  Bottom w0.2: 164.39,247.59 164.39,248.41 163.82,248.98 157.82,248.98 151.38,242.53 151.38,203.75 159.64,195.49 159.64,176.9 159.5,176.75 v1(159.5,176.06)
/Ch4 Daughterboard/digin.flt2: length 89.6
  Top w0.2: v1(152.57,245.73) 154.57,245.73 157.75,248.91 162.55,248.91 163.12,248.33 163.12,247.59
  Top w0.3: 158.7,177.85 v1(158.7,175.66)
  Bottom w0.2: v1(158.7,175.66) 158.7,176.75 158.43,177.03 158.43,185.53 158.9,186 158.9,195.25 150.7,203.46 150.7,243.31 152.57,245.18 v1(152.57,245.73)
/Ch4 Daughterboard/digin.rtn: length 86.8
  Top w0.3: 155.49,182.24 155.49,183.91 155.44,183.97 ; 156.26,183.97 156.29,183.94 156.29,182.24 ; 156.26,183.97 157.09,183.97 157.09,182.24 ; 156.26,183.97 155.91,183.97 ; 154.69,182.24 154.69,183.97 155.44,183.97 ; 155.91,183.97 155.91,184.82 ; 155.91,183.97 155.44,183.97
  Top w1.016: 155.95,184.78 155.95,192.38 151.88,196.45 148.2,196.45 146.1,198.55 146.1,235.78 154.24,243.92
  In7.Cu - SIG w1.016: 160.58,247.59 157.84,247.59 ; 154.24,243.96 157.83,247.55
  vias: v1(154.24,243.95)
/Ch4 Daughterboard/digin.spare: length 87.1